# Allegro board reComputer Industrial J201_V1.2.brd (continued)
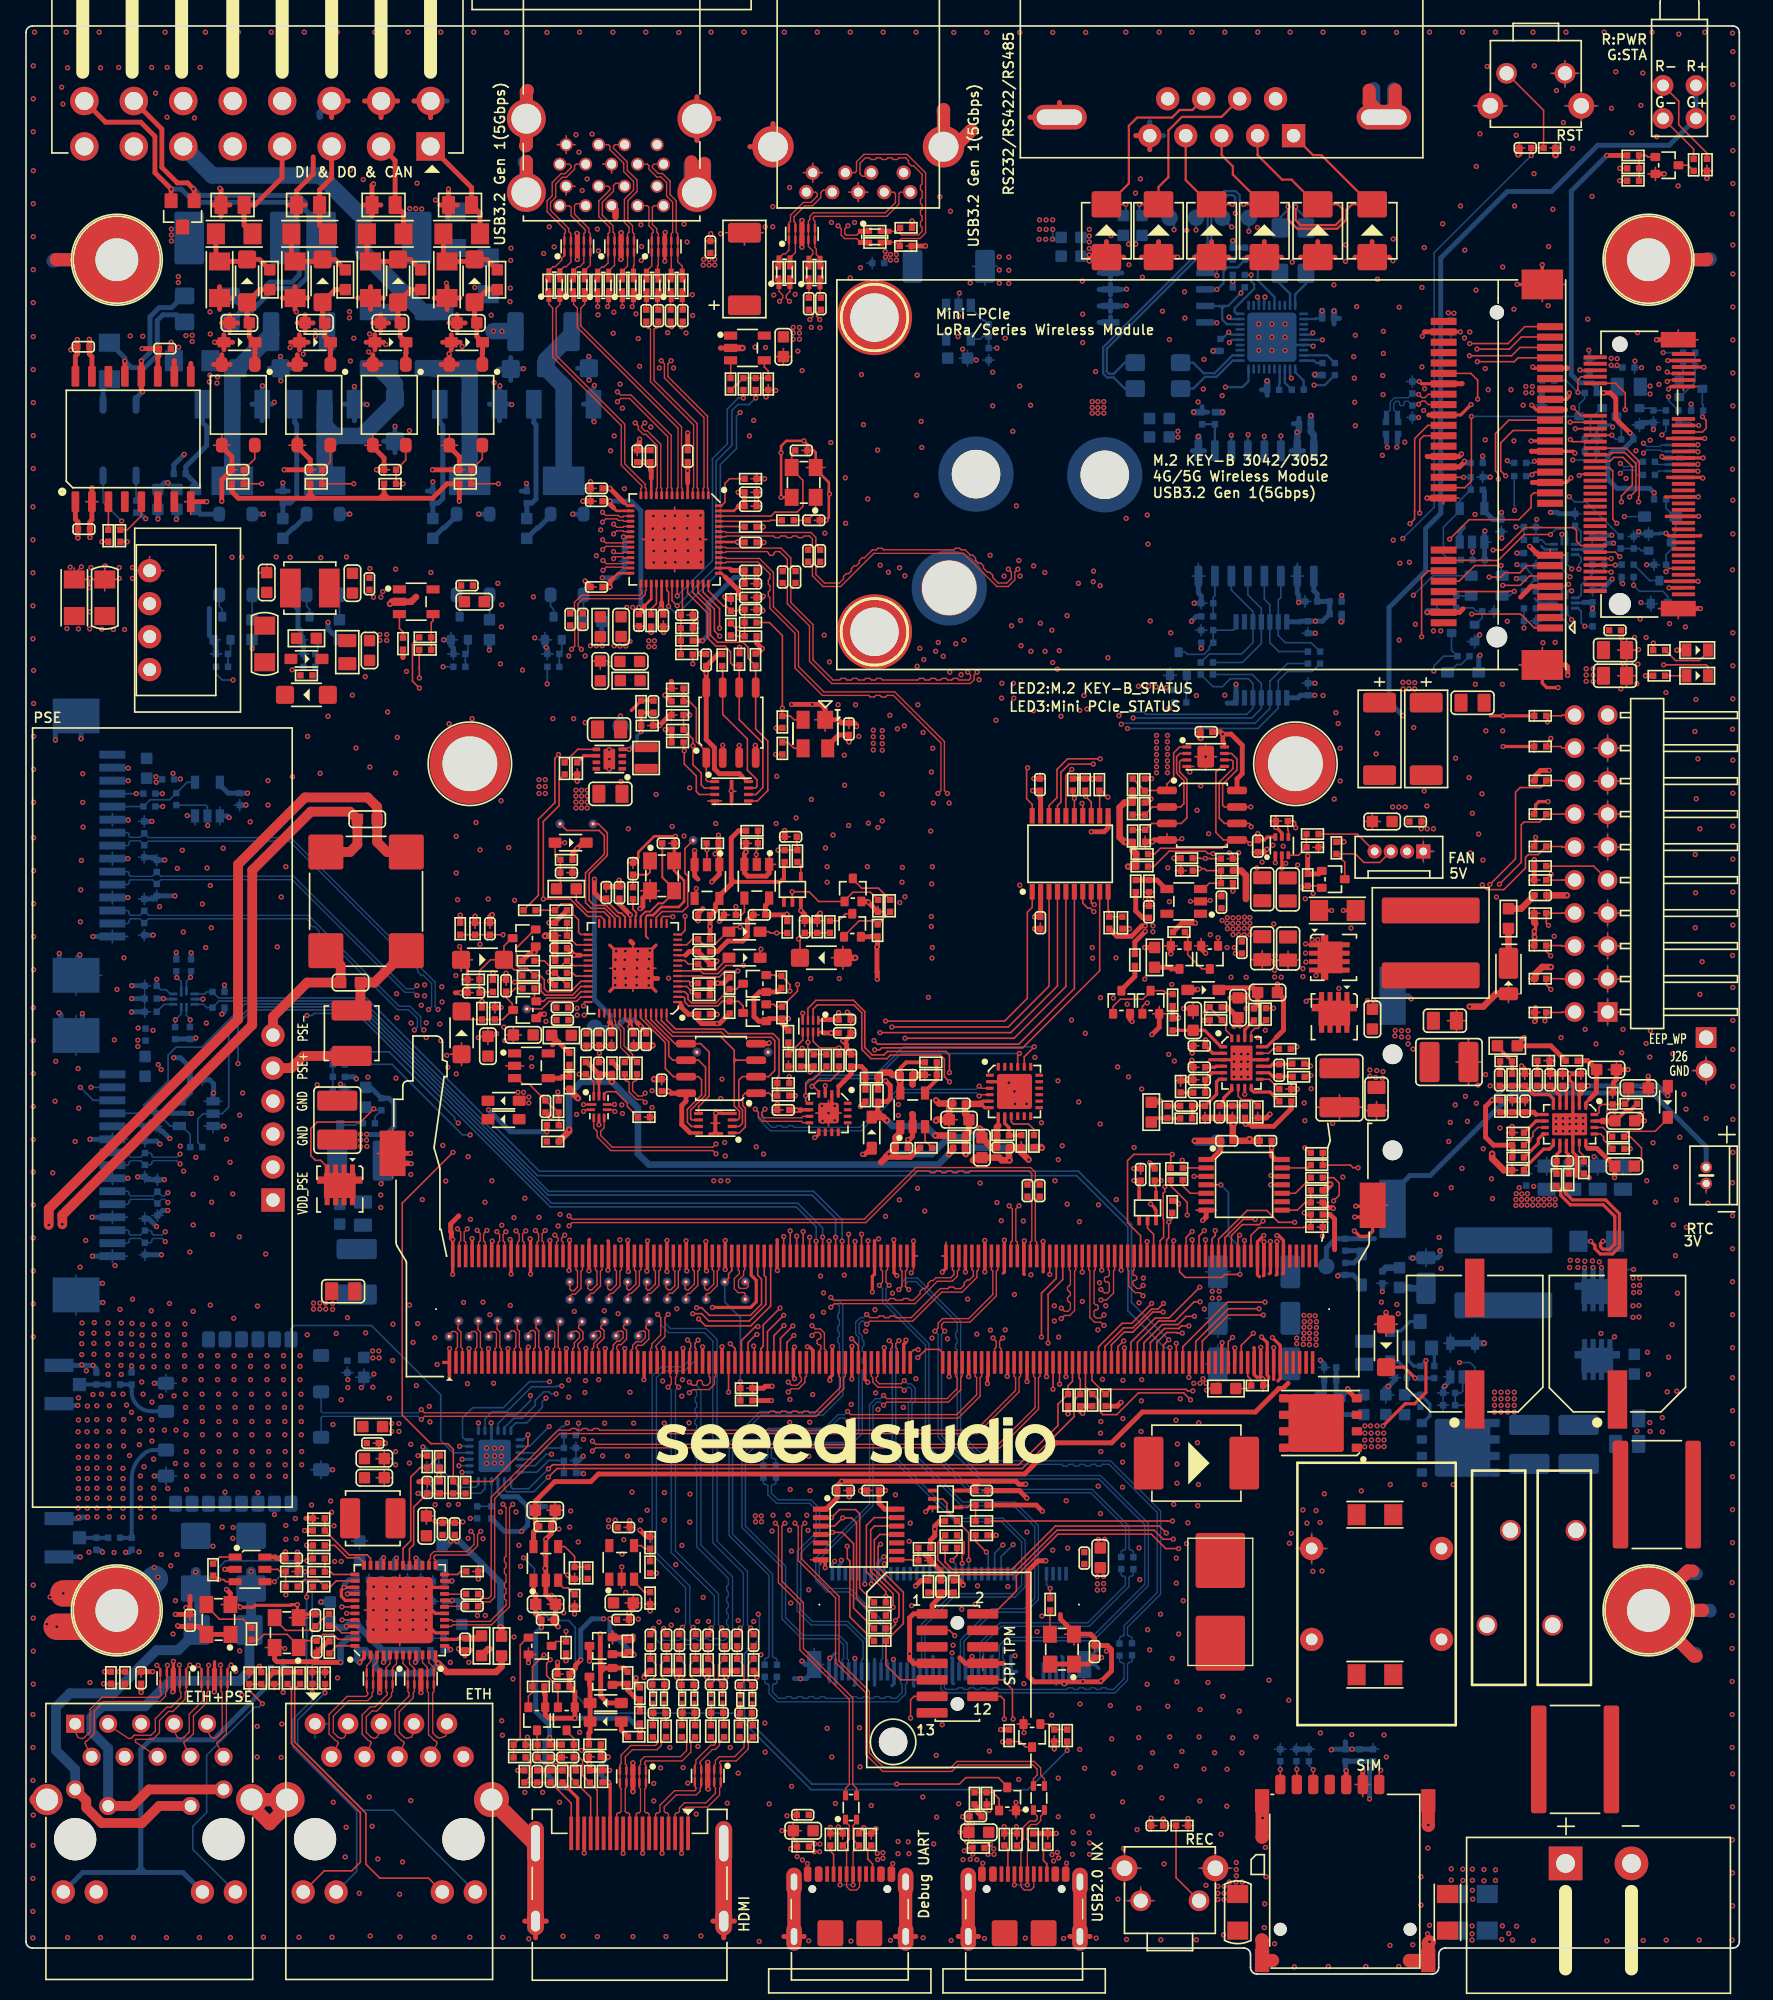
[diagram p0: board, top side]
## Copper pours and planes (outline as drawn; the poured copper is in the pictures) (continued)
GND_SHD on PWR05: 131.73,149.5 131.73,31.85 131.65,31.77 128.4,31.77 127.84,32.33 127.84,40.53 129.16,41.85 129.16,55.54 131.22,57.6 131.22,127.91 129.09,130.04 124.06,130.04 123.35,130.75 123.35,133.45 124.01,134.11 128.88,134.11 131.22,136.44 131.22,148.56 130.66,149.12 106.68,149.12 106.38,148.81 106.38,142.41 106.02,142.06 103.31,142.06 102.95,142.41 102.95,148.84 102.67,149.12 81.87,149.12 81.46,148.71 81.46,142.59 80.9,142.03 76.28,142.03 75.11,140.86 72.06,140.86 71.23,140.03 69.9,140.03 69.57,140.36 69.57,148.64 69.09,149.12 59.19,149.12 58.65,148.58 58.65,140.48 57.74,139.57 53.32,139.57 52.79,139.03 52.79,137.18 52.25,136.65 51.18,136.65 50.55,137.28 50.55,148.51 49.94,149.12 40.44,149.12 39.68,148.36 39.68,137.03 39.17,136.52 37.85,136.52 37.32,137.05 37.32,148.33 36.53,149.12 1.65,149.12 0.87,148.33 0.87,136.6 2.37,135.1 7.22,135.1 8.67,133.65 8.67,131.19 7.73,130.25 2.21,130.25 0.87,128.9 0.87,48.69 0.44,48.25 0.44,30.91 0.87,30.47 8.36,30.47 9.99,32.1 9.99,33.65 10.98,34.64 17.78,34.64 18.32,34.11 18.32,32.91 18.14,32.74 12.93,32.74 11.26,31.06 11.26,29.94 8.69,27.38 8.69,26.66 7.57,25.55 1.35,25.55 0.87,25.06 0.87,4.92 1.65,4.14 17.3,4.14 17.96,4.8 17.96,11.86 16.77,13.05 16.77,13.76 17.17,14.17 20.6,14.17 20.91,13.86 20.91,12.54 19.56,11.2 19.56,4.8 20.22,4.14 37.52,4.14 38.61,5.23 38.61,9.27 34.93,12.95 34.93,13.81 35.39,14.27 36.48,14.27 37.14,13.61 37.14,12.77 38.31,11.6 39.45,11.6 39.91,11.15 39.91,4.44 40.21,4.14 52.73,4.14 53.12,4.52 53.12,11.2 53.5,11.58 53.98,11.58 54.41,11.15 54.41,4.52 54.79,4.14 58.3,4.14 58.58,4.41 58.58,7.64 58.86,7.92 59.36,7.92 59.77,7.51 59.77,4.36 60,4.14 66.96,4.14 67.21,4.39 67.21,7.74 67.44,7.97 68.05,7.97 68.36,7.67 68.36,4.44 68.66,4.14 71.73,4.14 72.01,4.41 72.01,7.61 72.32,7.92 72.95,7.92 73.18,7.69 73.18,4.39 73.44,4.14 80.27,4.14 80.65,4.52 80.65,7.77 80.93,8.05 81.44,8.05 81.79,7.69 81.79,3.75 82.5,3.04 91.42,3.04 92.41,4.03 94.34,4.03 95.2,4.9 95.2,7.61 94.7,8.12 94.7,14.14 94.8,14.24 95.69,14.24 95.79,14.14 95.79,8.4 96.22,7.97 96.22,2.94 96.63,2.53 106.35,2.53 106.94,3.12 106.94,8.25 107.5,8.81 107.5,14.09 107.65,14.24 108.41,14.24 108.56,14.09 108.56,8.38 107.85,7.67 107.85,4.77 108.59,4.03 126.62,4.03 127.84,5.25 127.84,32.3 128.4,31.74 131.65,31.74 131.73,31.67 131.73,2.48 131.55,2.31 108.82,2.31 108.56,2.05 108.56,0.38 108.46,0.27 94.67,0.27 94.62,0.33 94.62,1.8 94.11,2.31 0.33,2.31 0.26,2.38 0.26,149.55 0.44,149.73 131.5,149.73 ; 5 cut-outs
VDD12_SW_OUT on TOP: 28.73,41.5 27.31,41.5 27.05,41.75 27.05,42.54 27.31,42.79 28.73,42.79 29.04,42.49 29.04,41.8
VDD12_SW_OUT on BOTTOM: 32.05,24.44 31.93,24.56 31.93,24.91 32.19,25.17 32.52,25.17 32.8,25.45 32.8,27 33.15,27.35 34.09,27.35 34.57,27.83 35.77,27.83 36.1,27.5 36.1,24.71 35.83,24.44
VDD12_SW_OUT on BOTTOM: 25.51,29.59 22.89,29.59 22.56,29.26 22.56,28.39 22.74,28.21 25.43,28.21 25.71,28.49 25.71,29.38
VDD12_SW_OUT on LAY3: 35.44,27.33 25.43,27.33 24.41,28.34 24.41,41.8 25.56,42.95 31.6,42.95 32.49,42.06 32.49,34.31 35.82,30.98 35.82,27.71
VDD25_REG_OUT on TOP: 30.41,31.26 30.41,33.83 30.66,34.08 33.2,34.08 33.43,33.85 33.43,33.24 33.23,33.04 31.35,33.04 30.69,32.38 30.69,31.26 30.61,31.19 30.48,31.19
VDD_1V2 on TOP: 48.44,94.08 46.97,94.08 46.33,94.71 45.65,94.71 45.34,95.02 45.34,96.51 43.59,98.27 43.59,99.79 43.77,99.97 46.05,99.97 46.21,99.82 46.21,97.94 46.59,97.56 46.79,97.56 46.92,97.43 46.92,95.78 47.3,95.4 48.47,95.4 48.64,95.22 48.64,94.28
VDD_1V2_HUB on TOP: 46.87,99.49 47.17,99.18 48.75,99.18 48.98,99.41 48.98,102.64 48.7,102.92 47.73,102.92 46.87,102.05
VDD_1V2_HUB on LAY4: 50.58,101.95 47.83,101.95 47.5,102.28 47.5,104.11 49.64,106.24 55.38,106.24 55.99,106.85 55.99,108.2 54.64,109.55 54.64,110.74 55.6,111.7 55.6,114.55 55.15,115.01 48.11,115.01 47.22,114.12 47.22,108.12 45.57,106.47 44.96,106.47 44.66,106.78 44.66,115.18 47.2,117.72 56.85,117.72 58.93,115.64 58.93,105.35 56.77,103.2 51.82,103.2
VDD_1V8 on TOP: 88.07,81.86 87.2,81.86 86.92,81.58 86.34,81.58 86.24,81.48 86.24,81.07 85.93,80.77 85.93,79.98 86.01,79.9 87.13,79.9 88.22,81 88.22,81.71
VDD_1V8 on BOTTOM: 89.74,81.3 85.04,81.3 84.59,80.84 84.59,60.95 85.2,60.35 90.07,60.35 90.43,60.7 90.43,80.61
VDD_1V8 on LAY3: 88.6,79.55 85.14,79.55 84.59,80.11 84.59,87.29 88.73,91.43 88.73,101.77 91.37,104.41 101.43,104.41 101.71,104.13 101.71,99.74 99.5,97.53 95.05,97.53 93.35,95.83 93.35,89.5 89.26,85.42 89.26,80.21
VDD_3V3_HDMI on TOP: 44.94,30.63 43.36,30.63 43.13,30.4 43.13,28.34 44.43,27.05 45.44,27.05 45.72,27.33 45.72,28.93 45.24,29.41 45.24,30.32
VDD_3V3_HUB on TOP: 47.83,105.46 43.9,105.46 43.64,105.2 43.64,104.26 43.84,104.06 46.38,104.06 46.79,104.47 47.6,104.47 47.86,104.72 47.86,105.43
VDD_3V3_HUB on LAY4: 48.01,114.5 55.02,114.5 55.2,114.32 55.2,111.78 54.28,110.87 54.28,109.37 55.58,108.07 55.58,107.03 55.12,106.57 49.38,106.57 47.73,104.92 46.18,104.92 45.8,105.3 45.8,106.29 47.45,107.94 47.45,113.94
VDD_3V3_SYS on TOP: 44.56,103.35 43.26,103.35 43.08,103.17 43.08,102.36 43.41,102.03 44.5,102.03 44.73,102.26 44.73,103.17
VDD_3V3_SYS on TOP: 103.25,97.07 103.03,97.3 103.03,100.38 104.14,101.49 107.47,101.49 108.23,102.26 108.23,104.03 108.49,104.29 110.67,104.29 111.05,103.91 111.05,97.43 110.7,97.07
VDD_3V3_SYS on TOP: 110.09,128.34 108.84,128.34 108.28,127.78 108.28,127.3 108.51,127.07 110.21,127.07 110.34,127.2 110.34,128.09
VDD_3V3_SYS on TOP: 81.29,31.64 81.29,31.64 81.25,31.64 81.08,31.47 81.08,29.61 81.36,29.33 83.09,29.33 83.29,29.54 83.29,31.34 82.99,31.64
VDD_3V3_SYS on TOP: 118.16,123.08 115.4,123.08 115.14,122.83 115.14,121.56 115.24,121.46 116.03,121.46 116.36,121.79 118.11,121.79 118.32,121.99 118.32,122.14 118.14,122.32 116.41,122.32 116.39,122.35 116.39,122.55 116.41,122.58 118.14,122.58 118.27,122.7 118.27,122.98
VDD_3V3_SYS on TOP: 120.1,124.63 122.86,124.63 123.04,124.45 123.04,123.74 122.84,123.54 122.15,123.54 121.85,123.85 120.1,123.85 120.02,123.92 120.02,124.02 120.12,124.12 121.8,124.12 121.82,124.15 121.82,124.33 121.8,124.35 120.07,124.35 120.04,124.38 120.04,124.58
VDD_3V3_SYS on TOP: 45.29,32.74 45.29,33.65 45.67,34.03 45.67,35.12 45.44,35.35 44.53,35.35 44.25,35.07 44.25,32.81 44.53,32.53 45.09,32.53
VDD_3V3_SYS on TOP: 99.7,83.05 93.55,83.05 92.76,82.27 91.6,82.27 91.24,81.91 90.17,81.91 90.05,81.78 90.05,81.38 90.17,81.25 91.55,81.25 93.45,79.34 97.82,79.34 97.97,79.5 97.97,79.88 98.2,80.11 99.9,80.11 100.21,80.41 100.21,82.54
VDD_3V3_SYS on TOP: 121.92,99.21 119.82,99.21 119.1,99.92 119.1,107.46 119.28,107.64 121.72,107.64 121.77,107.59 121.77,107.41 121.72,107.36 119.99,107.36 119.97,107.34 119.97,107.16 119.99,107.13 121.72,107.13 121.77,107.08 121.77,106.9 121.72,106.85 119.99,106.85 119.97,106.83 119.97,106.65 119.99,106.62 121.7,106.62 121.8,106.52 121.8,104.49 122.13,104.16 122.13,99.41
VDD_3V3_SYS on BOTTOM: 109.4,127.27 109.4,128.11 109.58,128.29 110.24,128.29 110.42,128.11 110.42,127.27 110.21,127.07 109.6,127.07
VDD_3V3_SYS on BOTTOM: 10.54,92.58 8.82,92.58 8.67,92.43 8.67,91.71 8.84,91.54 10.54,91.54 10.75,91.74 10.75,92.37
VDD_3V3_SYS on BOTTOM: 79.52,29.43 79.01,29.94 79.01,31.26 79.06,31.31 79.21,31.31 79.26,31.26 79.26,30.27 79.29,30.25 79.47,30.25 79.49,30.27 79.49,31.29 79.54,31.34 79.72,31.34 79.74,31.31 79.74,30.27 79.77,30.25 79.97,30.25 80,30.27 80,31.29 80.05,31.34 82.08,31.34 82.08,31.34 82.9,31.34 83.29,30.94 83.29,29.43 83.16,29.3 82.38,29.3 82.24,29.44 82.06,29.44 82.06,29.43
VDD_3V3_SYS on BOTTOM: 116.92,121.51 115.42,121.51 115.14,121.79 115.14,122.63 115.37,122.85 117.02,122.85 117.07,122.8 117.07,121.66
VDD_3V3_SYS on BOTTOM: 25.56,30.09 23.88,30.09 23.52,30.45 23.52,31.97 23.8,32.25 27.59,32.25 27.84,32 27.84,31.39 27.56,31.11 26.14,31.11 25.71,30.68 25.71,30.25
VDD_3V3_SYS on BOTTOM: 109.1,104.24 108.26,104.24 108,103.98 108,103.3 108.23,103.07 109.12,103.07 109.33,103.27 109.33,104.01
VDD_3V3_SYS on BOTTOM: 27.16,47.06 22.58,47.06 22.31,47.34 22.31,48.03 22.56,48.28 27.18,48.28 27.46,48 27.46,47.37
VDD_3V3_SYS on BOTTOM: 123.27,121.56 123.27,124.33 122.99,124.61 121.92,124.61 121.62,124.3 121.62,121.64 122,121.25 122.97,121.25
VDD_3V3_SYS on BOTTOM: 9.81,70.58 9.81,71.83 9.5,72.13 8.44,72.13 8.16,71.85 8.16,70.63 8.56,70.23 9.45,70.23
VDD_3V3_SYS on PWR05: 116.34,146.45 111.84,141.96 111.84,136.93 108.08,133.17 108.08,128.72 104.4,125.04 104.4,113.02 100.33,108.96 87.43,108.96 84.12,112.28 70.6,112.28 61.14,121.74 51.21,121.74 44.66,115.18 44.66,108.05 43.46,106.85 14.71,106.85 14.63,106.78 14.63,106.67 14.76,106.55 14.76,92.73 14.15,92.12 10.7,92.12 9.05,93.77 6.58,93.77 5.21,92.4 5.21,55.24 6.07,54.38 17.4,54.38 18.52,53.26 18.52,41.88 19.77,40.63 19.77,25.37 18.47,24.07 18.47,21.48 18.7,21.25 36.25,21.25 37.04,20.47 37.04,17.57 38,16.61 56.42,16.61 59.36,13.66 61.37,13.66 62.16,12.87 62.16,7.13 62.64,6.65 63.86,6.65 64.47,7.26 64.47,10.21 65.03,10.76 74.76,10.76 75.21,10.31 75.21,7.31 75.87,6.65 77.7,6.65 78.36,7.31 78.36,14.63 80.34,16.61 95.71,16.61 96.22,16.1 96.22,15.44 96.71,14.94 96.71,14 97.57,13.15 103.97,13.15 105.16,14.35 105.16,19.12 104.73,19.55 98.38,19.55 95.69,22.25 95.69,37.69 97.26,39.26 119.97,39.26 126.22,45.51 126.22,56.36 129.52,59.66 129.52,124.05 127.23,126.33 121.06,126.33 119.43,127.96 119.43,135.88 121.9,138.35 127.82,138.35 129.37,139.9 129.37,145.99 128.91,146.45 ; 2 cut-outs
VDD_5V_BUS on TOP: 29.06,106.34 28.2,106.34 26.9,105.05 23.14,105.05 22.66,105.53 22.66,107.49 23.14,107.97 23.27,107.97 24.46,106.78 26.9,106.78 27.59,107.46 28.99,107.46 29.24,107.21 29.24,106.52
VDD_5V_BUS on BOTTOM: 86.8,118.92 86.24,118.92 85.7,119.45 78.36,119.45 77.25,118.33 77.25,112.67 83.16,106.75 83.16,103.07 73,92.91 47.25,92.91 41.48,98.67 39.73,98.67 38.76,99.64 32.34,99.64 32.01,99.97 32.01,102.64 27.94,106.7 26.57,106.7 26.27,106.4 26.27,100.66 29.16,97.76 37.34,97.76 45.67,89.43 75.37,89.43 87.05,101.11 87.05,106.07 79.46,113.66 79.46,117.09 80.88,118.51 85.07,118.51 85.78,117.8 86.82,117.8 87,117.98 87,118.71
VDD_5V_SYS on TOP: 44.15,93.44 43.16,93.44 42.93,93.21 42.93,91.46 42.85,91.38 42.24,91.38 42.09,91.23 42.09,89.73 42.29,89.53 44.38,89.53 44.63,89.78 44.63,91.84 44.23,92.25 44.23,92.88 44.17,92.93 43.67,92.93 43.62,92.98 43.62,93.14 43.64,93.16 44.12,93.16 44.2,93.24 44.2,93.39
VDD_5V_SYS on TOP: 38.97,68.14 37.85,68.14 37.55,67.84 37.55,67 37.82,66.72 38.94,66.72 39.2,66.97 39.2,67.91
VDD_5V_SYS on TOP: 57.76,125.85 56.7,125.85 56.39,126.16 56.39,127.1 56.8,127.5 59.62,127.5 59.85,127.27 59.85,125.78 59.69,125.62 57.99,125.62
VDD_5V_SYS on TOP: 99.34,56.15 101.15,56.15 102.16,55.14 102.16,45.56 101.6,45 96.93,45 96.88,45.05 96.88,45.26 97.01,45.38 97.01,49.04 97.84,49.88 97.84,52.22 97.26,52.8 97.26,56.13 97.29,56.15 97.49,56.15 97.51,56.13 97.51,54.4 97.54,54.38 97.72,54.38 97.74,54.4 97.74,56.13 97.77,56.15 97.95,56.15 98,56.1 98,54.4 98.02,54.38 98.23,54.38 98.25,54.4 98.25,56.1 98.3,56.15 98.43,56.15 98.51,56.08 98.51,54.4 98.53,54.38 98.73,54.38 98.76,54.4 98.76,56.1 98.78,56.13 98.96,56.13 99.01,56.08 99.01,54.4 99.04,54.38 99.22,54.38 99.24,54.4 99.24,56.05
VDD_5V_SYS on TOP: 105.87,86.28 105.87,87.07 104.88,88.06 104.88,89.81 105.19,90.11 106.46,90.11 106.81,89.76 106.81,86.2 106.63,86.02 106.13,86.02
VDD_5V_SYS on TOP: 37.55,94.56 37.55,90.88 37.9,90.52 40.01,90.52 40.29,90.8 40.29,96.24 34.29,102.23 34.29,105.53 33.79,106.04 33.79,107.28 33.61,107.46 31.17,107.46 30.86,107.16 30.86,106.42 30.97,106.32 31.93,106.32 32.11,106.14 32.11,99.99
VDD_5V_SYS on BOTTOM: 98.76,45.66 96.63,45.66 96.14,46.15 96.14,54.3 96.85,55.01 98.15,55.01 100.05,53.11 101.4,53.11 101.93,52.57 101.93,48.25 101.5,47.82 99.6,47.82 99.17,47.39 99.17,46.07
VDD_5V_SYS on BOTTOM: 123.83,60.9 114.79,60.9 114.56,60.68 114.56,59.08 114.66,58.97 120.5,58.97 121.77,57.7 121.77,55.9 122.05,55.62 123.73,55.62 124.31,56.21 124.31,60.42
VDD_5V_SYS on BOTTOM: 70.08,126.39 71.02,126.39 71.2,126.21 71.2,125.29 71.4,125.09 71.4,120.21 69.7,118.51 65.36,118.51 62.28,115.44 62.28,102.08 66.37,97.99 66.37,94.05 65.89,93.57 57.89,93.57 57.31,94.15 57.31,126.41 57.92,127.02 60.35,127.02 63.12,124.25 67.95,124.25
VDD_5V_SYS on BOTTOM: 39.35,92.27 40.26,92.27 41.13,91.41 43.29,91.41 43.82,90.88 43.82,70.91 39.68,66.77 37.57,66.77 35.74,68.6 35.74,88.67
VDD_5V_SYS on LAY4: 49.18,89.33 41.99,89.33 41.58,89.73 41.58,95.45 42.09,95.96 88.01,95.96 88.47,95.5 88.47,90.77 87.86,90.16 50.02,90.16
VDD_5V_SYS on PWR05: 97.51,54.99 99.85,57.32 99.85,78.58 96.52,81.91 87,81.91 85.58,83.33 85.58,95.24 85.96,95.63 95.23,95.63 96.88,97.28 106.18,97.28 106.66,96.79 106.66,93.52 110.04,90.14 116.44,90.14 118.22,88.36 118.22,73.45 119.99,71.67 119.99,47.37 118.95,46.32 98.43,46.32 97.51,47.24
VDD_DCIN on TOP: 22.48,63.44 22.48,64.74 22.84,65.1 26.34,65.1 26.57,64.87 26.57,61.67 26.34,61.44 25.1,61.44 24.97,61.56 24.97,62.38 24.95,62.4 24.72,62.4 24.69,62.38 24.69,61.34 24.62,61.26 24.41,61.26 24.31,61.36 24.31,62.38 24.29,62.4 24.06,62.4 24.01,62.35 24.01,61.34 23.96,61.29 23.75,61.29 23.68,61.36 23.68,62.38 23.63,62.43 23.5,62.43
VDD_DCIN on TOP: 93.27,71.9 93.27,72.36 92.89,72.74 92.89,73.6 93.09,73.81 93.65,73.81 93.83,73.63 93.83,73.02 93.7,72.89 93.7,72.56 93.5,72.36 93.5,71.88 93.43,71.8 93.37,71.8
VDD_DCIN on TOP: 122.76,65.2 121.85,65.2 121.59,65.45 121.59,66.37 121.8,66.57 122.64,66.57 122.84,66.37 122.84,65.27
VDD_DCIN on TOP: 102.62,74.16 99.88,74.16 99.5,73.78 99.5,68.96 99.9,68.55 102.42,68.55 103.23,67.74 107.75,67.74 108.87,68.85 108.87,74.44 108.61,74.7 105.36,74.7 104.14,73.48 103.31,73.48
VDD_DCIN on TOP: 123.35,46.27 123.35,42.59 122.48,41.73 111.43,41.73 111.03,42.13 111.03,46.58 112.09,47.65 121.97,47.65
VDD_DCIN on BOTTOM: 104.6,68.55 96.8,68.55 92.84,72.51 92.84,73.5 93.25,73.91 101.32,73.91 105.03,70.2 105.03,68.98
VDD_DCIN on BOTTOM: 114.15,40.66 121.64,40.66 122.08,40.23 122.71,40.23 122.97,40.48 122.97,43.3 124.31,44.65 124.31,46.43 124.08,46.65 123.22,46.65 122.36,47.52 114.3,47.52 111.79,45 111.79,42.95 111.54,42.69 110.37,42.69 109.83,42.16 109.83,38.53 110.06,38.3 113.19,38.3 113.8,38.91 113.8,40.3
VDD_DCIN on LAY4: 101.5,74.37 114.1,74.37 117.17,71.29 124.97,71.29 125.89,70.38 125.89,43.56 125.25,42.92 110.29,42.92 110.01,43.2 110.01,59.66 104.73,64.94 84.26,64.94 81.64,62.33 72.39,62.33 68.99,58.92 26.12,58.92 25.28,59.76 25.28,64.99 26.47,66.19 64.09,66.19 65.59,67.69 78.13,67.69 80.56,70.11 97.25,70.11
VDD_PSE on BOTTOM: 21.75,60.78 19.82,62.71 17.96,62.71 17.71,62.45 17.71,58.01 20.65,55.06 26.8,55.06 27.03,55.29 27.03,57.7 26.55,58.19 23.17,58.19 21.75,59.61
VDD_VBUS_A on TOP: 54.77,126 54.77,126.84 55.63,127.71 55.63,128.98 55.38,129.23 54.39,129.23 53.7,129.92 53.7,132.56 53.5,132.76 52.3,132.76 51.95,132.41 51.95,127.66 53.75,125.85 54.61,125.85
VDD_VBUS_A on LAY3: 45.39,131.24 44.3,132.33 44.3,140.81 45.09,141.6 48.64,141.6 49.13,141.12 49.13,135.02 50.73,133.42 52.99,133.42 53.29,133.12 53.29,131.47 53.06,131.24
VDD_VBUS_B on BOTTOM: 71.17,128.42 71.17,130.98 69.24,132.91 66.17,132.91 65.89,132.63 65.89,131.24 66.7,130.42 67.64,130.42 69.88,128.19 70.95,128.19
VDD_VBUS_B on LAY3: 67.9,139.26 65.51,139.26 64.62,138.37 64.62,131.69 65,131.31 68.86,131.31 69.45,131.9 69.45,137.71
VIN_5V on TOP: 9.43,106.4 17.76,106.4 18.16,106.8 18.88,106.8 20.17,108.1 20.5,108.1 21.14,107.46 21.14,104.8 19.59,103.25 14.23,103.25 12.88,104.59 9.25,104.59 8.97,104.87 8.97,105.94
(no net) on TOP: 112.68,147.49 128.73,147.49 130,146.22 130,138.27 128.65,136.93 122.28,136.93 119.99,134.64 119.99,128.72 121.87,126.84 129.32,126.84 130,126.16 130,58.77 127.64,56.41 127.64,42.92 126.19,41.47 110.82,41.47 110.21,40.86 110.21,37.64 110.06,37.49 104.37,37.49 103.1,36.22 103.1,21.58 105.49,19.2 105.49,14.24 104.4,13.15 96.96,13.15 96.24,13.86 96.24,14.93 95.91,15.26 93.88,15.26 93.55,14.93 93.55,7.56 94.16,6.95 94.16,5.68 93.96,5.48 91.57,5.48 90.91,4.82 83.82,4.82 83.37,5.28 83.37,8.4 82.81,8.96 80.67,8.96 80.39,8.68 80.39,7.79 80.19,7.59 73.51,7.59 73.36,7.74 73.36,8.58 72.98,8.96 67.11,8.96 66.96,8.81 66.96,7.84 66.7,7.59 60.15,7.59 59.92,7.82 59.92,8.61 59.57,8.96 57.84,8.96 57.53,9.27 57.53,12.06 57.05,12.54 52.28,12.54 51.69,11.96 51.69,9.27 51.16,8.73 41.76,8.73 41.33,9.16 41.33,12.64 40.49,13.48 38.15,13.48 37.82,13.81 37.82,15.11 36.2,16.73 36.2,20.82 35.92,21.1 6.66,21.1 5.77,21.99 5.77,23.36 5.92,23.52 9.1,23.52 11.1,25.52 11.1,28.87 12.07,29.84 14.1,29.84 14.66,30.4 14.66,31.06 15.02,31.41 15.62,31.41 17.2,29.84 17.73,29.84 18.27,30.37 18.27,33.8 17.1,34.97 3.97,34.97 3.79,35.15 3.79,57.75 14.15,68.12 20.7,68.12 21.31,68.73 27.82,68.73 28.45,69.36 28.45,75.69 29.14,76.37 32.26,76.37 32.87,76.98 32.87,88.26 29.19,91.94 21.19,91.94 14.94,85.69 14.94,73.55 7.5,66.11 1.88,66.11 1.32,66.67 1.32,97.86 1.71,98.24 5.13,98.24 5.41,97.96 5.41,94.91 6.61,93.72 10.42,93.72 11.31,92.83 22.97,92.83 28.66,98.52 28.66,104.19 27.79,105.05 25.15,105.05 24.54,105.66 24.54,108.35 24.03,108.86 19.21,108.86 19,108.66 19,107.74 18.72,107.46 13.62,107.46 13.29,107.13 7.65,107.13 6.86,106.34 3.41,106.34 3.1,106.65 3.1,113.46 3.86,114.22 13.26,114.22 13.59,114.55 13.59,118.16 13.97,118.54 37.42,118.54 38.51,119.63 38.51,131.44 40.03,132.96 40.03,136.6 40.36,136.93 40.36,138.02 40.57,138.22 40.57,140.94 41.53,141.9 49.2,141.9 49.79,141.32 49.79,137.05 50.19,136.65 50.19,135.48 50.68,135 55.45,135 60.84,140.38 67.92,140.38 76.08,132.23 76.08,123.57 79.99,119.65 83.11,119.65 86.82,115.95 86.82,110.05 87.91,108.96 99.44,108.96 100.94,110.46 100.94,112.31 104.09,115.46 104.09,127.2 107.42,130.53 107.42,132.28 107.4,132.3 107.4,133.78 111.18,137.56 111.18,145.99 ; 68 cut-outs
(no net) on LAY3: 112.68,147.49 128.73,147.49 130,146.22 130,138.27 128.65,136.93 122.28,136.93 119.99,134.64 119.99,128.72 121.87,126.84 129.32,126.84 130,126.16 130,58.77 127.64,56.41 127.64,42.92 126.04,41.32 111.46,41.32 110.21,40.08 110.21,37.66 110.04,37.49 104.37,37.49 103.1,36.22 103.1,21.58 105.49,19.2 105.49,14.24 104.4,13.15 96.96,13.15 96.24,13.86 96.24,14.93 95.91,15.26 93.88,15.26 93.55,14.93 93.55,7.56 94.16,6.95 94.16,5.68 93.96,5.48 91.57,5.48 90.91,4.82 83.82,4.82 83.37,5.28 83.37,8.4 82.81,8.96 80.67,8.96 80.39,8.68 80.39,7.79 79.07,6.47 74.63,6.47 73.36,7.74 73.36,8.58 72.98,8.96 67.11,8.96 66.96,8.81 66.96,7.84 65.84,6.73 60.94,6.73 59.92,7.74 59.92,8.61 59.57,8.96 57.84,8.96 57.53,9.27 57.53,12.06 57.05,12.54 52.28,12.54 51.69,11.96 51.69,9.27 51.16,8.73 41.76,8.73 41.33,9.16 41.33,12.64 40.49,13.48 38.15,13.48 37.82,13.81 37.82,15.11 37.21,15.72 35.36,15.72 34.19,14.55 34.19,9.77 35.56,8.4 35.56,5.63 35.13,5.2 21.09,5.2 20.35,5.94 20.35,7.39 22.15,9.19 22.15,14.98 21.11,16.02 17.89,16.02 17.58,16.33 17.58,20.65 17.4,20.82 5.85,20.82 4.63,22.04 4.63,23.08 5.06,23.52 9.27,23.52 11.1,25.34 11.1,28.87 12.07,29.84 17.73,29.84 18.27,30.37 18.27,33.8 17.1,34.97 3.97,34.97 3.79,35.15 3.79,57.75 14.15,68.12 20.7,68.12 21.31,68.73 27.82,68.73 28.45,69.36 28.45,75.69 29.14,76.37 32.26,76.37 32.87,76.98 32.87,88.26 29.19,91.94 21.19,91.94 14.94,85.69 14.94,73.55 7.5,66.11 1.88,66.11 1.32,66.67 1.32,97.86 1.71,98.24 5.13,98.24 5.41,97.96 5.41,94.91 6.61,93.72 10.42,93.72 11.31,92.83 22.97,92.83 28.66,98.52 28.66,104.19 27.79,105.05 25.02,105.05 24.54,105.53 24.54,108.35 24.03,108.86 19.21,108.86 19,108.66 19,107.72 18.75,107.46 13.62,107.46 13.29,107.13 7.65,107.13 6.86,106.34 3.41,106.34 3.1,106.65 3.1,113.46 3.86,114.22 13.26,114.22 13.59,114.55 13.59,118.16 13.97,118.54 37.42,118.54 38.51,119.63 38.51,131.44 40.03,132.96 40.03,136.6 40.36,136.93 40.36,138.02 40.57,138.22 40.57,140.94 41.53,141.9 49.2,141.9 49.79,141.32 49.79,137.05 50.19,136.65 50.19,135.48 50.68,135 55.45,135 60.84,140.38 67.92,140.38 76.08,132.23 76.08,123.57 79.99,119.65 83.11,119.65 86.82,115.95 86.82,110.05 87.91,108.96 99.44,108.96 100.94,110.46 100.94,112.31 104.09,115.46 104.09,127.2 107.42,130.53 107.42,132.28 107.4,132.3 107.4,133.78 111.18,137.56 111.18,145.99 ; 50 cut-outs
5V_RS232/422/485 on BOTTOM: 87.79,120.19 87.66,120.06 87.66,118.05 87.76,117.95 88.78,117.95 88.95,118.13 88.95,119.93 88.7,120.19
5V_RS232/422/485 on LAY4: 101.2,128.44 99.88,128.44 99.55,128.11 99.55,121.23 98.58,120.26 98.58,118.51 97.92,117.85 92.87,117.85 92.46,118.26 92.46,120.44 92.21,120.7 91.52,120.7 91.09,120.26 91.09,119.55 90.78,119.25 88.12,119.25 87.91,119.04 87.91,116.89 88.57,116.23 100.05,116.23 101.43,117.6 101.43,128.21
BBAT_CONN on BOTTOM: 103.13,55.44 103.25,55.32 105.79,55.32 107.01,56.54 107.01,61.31 106.71,61.62 103.74,61.62 103.13,61.01
DCJ_IN on TOP: 107.75,27.73 114.61,27.73 115.19,27.15 115.19,23.62 117.12,21.69 117.12,12.57 119.76,9.93 119.76,7.41 119.59,7.23 115.32,7.23 111.59,10.97 111.59,15.41 104.86,22.14 104.86,24.84
DO_40V_3 on BOTTOM: 24.82,127.02 28.5,127.02 28.76,127.27 28.76,128.37 28.53,128.6 24.85,128.6 24.57,128.32 24.57,127.27
DO_40V_4 on BOTTOM: 22.51,125.27 23.42,125.27 23.7,125.55 23.7,127.25 23.58,127.38 22.36,127.38 22.18,127.2 22.18,125.6
GND_RS232/422/485 on TOP: 105.29,131.01 81.59,131.01 80.85,131.74 80.85,134.34 81.44,134.92 84.36,134.92 84.92,135.48 84.92,141.4 85.83,142.31 86.97,142.31 87.41,141.88 87.41,135.3 87.79,134.92 105.34,134.92 105.64,134.61 105.64,131.36
GND_RS232/422/485 on BOTTOM, GND02, PWR05: 80.85,138.6 87.53,145.28 96.65,145.28 104.19,137.74 104.88,137.74 105.85,136.77 105.85,131.06 102.9,128.11 102.9,119.04 100.08,116.23 88.57,116.23 87.66,117.14 87.66,120.77 87.15,121.28 84.13,121.28 80.85,124.56
GND_RS232/422/485 on LAY3: 80.85,138.6 87.53,145.28 96.65,145.28 104.19,137.74 104.88,137.74 105.85,136.77 105.85,131.06 102.9,128.11 102.9,119.04 100.08,116.23 88.57,116.23 87.66,117.14 87.66,120.77 87.15,121.28 84.13,121.28 80.85,124.56 ; 2 cut-outs
GND_RS232/422/485 on LAY4: 80.85,138.6 87.53,145.28 96.65,145.28 104.19,137.74 104.88,137.74 105.85,136.77 105.85,131.06 102.9,128.11 102.9,119.04 100.08,116.23 88.57,116.23 87.66,117.14 87.66,120.77 87.15,121.28 84.13,121.28 80.85,124.56 ; 4 cut-outs
LDO_5V_IN on TOP: 37.93,71.19 35.18,71.19 34.75,70.76 34.75,65.65 35.03,65.37 36.2,65.37 36.5,65.68 36.5,69.97 37.11,70.58 37.9,70.58 38,70.68 38,71.11
MODE_0 on BOTTOM: 91.77,131.34 90.52,131.34 90.19,131.01 90.19,130.82 90.28,130.73 91.75,130.73 91.88,130.86 91.88,131.24
SW_1V2 on TOP: 45.8,93.44 46.71,93.44 46.97,93.19 48.47,93.19 48.67,92.98 48.67,92.55 48.52,92.4 46.99,92.4 46.23,93.16 45.77,93.16 45.7,93.24 45.7,93.34
SW_DC1 on BOTTOM: 121.82,52.47 109.63,52.47 108.59,53.51 107.67,53.51 107.09,52.93 107.09,51.43 107.45,51.07 109.3,51.07 110.67,49.7 116.92,49.7 118.83,47.8 120.2,47.8 120.27,47.87 120.27,48.92 120.3,48.94 120.53,48.94 120.55,48.92 120.55,47.92 120.65,47.82 120.83,47.82 120.91,47.9 120.91,48.92 120.93,48.94 121.16,48.94 121.19,48.92 121.19,47.9 121.26,47.82 121.52,47.82 121.57,47.87 121.57,48.94 122.3,49.68 122.3,51.99
SW_DC2 on TOP: 100.28,74.65 100.28,79.04 100.74,79.5 102.42,79.5 103.99,77.92 112.32,77.92 113.19,78.79 114.38,78.79 114.89,78.28 114.89,77.21 114.43,76.75 113.24,76.75 111.61,75.13 104.47,75.13 104.27,75.33 103.03,75.33 102.9,75.2 102.9,74.85 102.59,74.54 101.76,74.54 101.58,74.72 101.58,75.64 101.53,75.69 101.35,75.69 101.3,75.64 101.3,74.65 101.2,74.54 101.02,74.54 100.94,74.62 100.94,75.64 100.92,75.66 100.66,75.66 100.64,75.64 100.64,74.7 100.54,74.59 100.33,74.59
SW_OUT on TOP: 27.18,31.26 27.18,32.61 25.76,34.03 25.76,36.8 26.39,37.43 26.39,42.49 26.14,42.74 24.34,42.74 24.13,42.54 24.13,33.45 25.1,32.48 26.27,32.48 26.9,31.85 26.9,31.26 26.98,31.19 27.11,31.19
SW_OUT_L on TOP: 27.92,31.24 27.92,32.02 27.69,32.25 27.69,36.09 28.1,36.49 29.04,36.49 29.24,36.29 29.24,33.32 28.5,32.58 28.5,32.33 28.17,32 28.17,31.24 28.1,31.16 27.99,31.16
TYPE C_UART_5V on TOP: 65.26,8.33 65.26,8.77 65.49,8.99 65.87,8.99 65.94,9.07 66.2,9.07 66.3,8.97 66.3,8.36 66.15,8.21 66.15,7.19 66.04,7.09 65.71,7.09 65.59,7.22 65.59,8
TYPE C_UART_5V on TOP: 60.07,9.32 60.79,8.61 60.79,7.69 60.86,7.61 61.27,7.61 61.34,7.69 61.34,16.73 59.21,18.87 59.21,27.83 57.13,29.92 57.13,35.33 56.95,35.5 55.81,35.5 55.63,35.33 55.63,28.37 57.66,26.33 57.66,18.13 60.07,15.72
TYPE C_UART_5V on TOP: 61.17,64.87 61.17,64.56 62.89,62.83 65.49,62.83 66.17,63.52 66.83,63.52 67.36,62.99 67.36,62.78 65.38,60.8 38.03,60.8 37.65,61.18 37.65,65.96 37.85,66.16 39.27,66.16 39.48,65.96 39.48,64.64 39.68,64.43 40.21,64.43 40.34,64.31 40.34,63.39 41.1,62.63 58.42,62.63 60.68,64.89 61.14,64.89
TYPE C_UART_5V on BOTTOM: 60.58,10.23 65.87,10.23 66.22,9.88 66.22,7.49 65.87,7.13 60.86,7.13 60.43,7.56 60.43,10.08
TYPE C_UART_5V on LAY3: 57.05,34.64 57.05,48.92 56.54,49.42 56.54,54.1 55.05,55.6 55.05,61.11 54.69,61.46 52.84,61.46 52.38,61.01 52.38,53.59 54.13,51.84 54.13,46.2 54.54,45.79 54.54,34.69 54.74,34.49 56.9,34.49
VOUT_5V on TOP: 9.48,101.34 15.29,101.34 15.62,101.67 18.88,101.67 20.4,103.2 21.06,103.2 21.31,102.94 21.31,101.34 20.02,100.05 15.73,100.05 15.27,99.59 9.35,99.59 9.02,99.92 9.02,100.88
N27061287 on TOP: 73.51,9.32 74.22,8.61 74.22,7.46 74.32,7.36 74.63,7.36 74.78,7.51 74.78,11.76 74.22,12.31 73.69,12.31 73.51,12.14
N27061287 on TOP: 78.69,8.83 78.69,9.27 78.92,9.49 79.3,9.49 79.38,9.57 79.63,9.57 79.73,9.47 79.73,8.86 79.58,8.71 79.58,7.31 79.43,7.16 79.1,7.16 79.02,7.23 79.02,8.5
N27061287 on BOTTOM: 74.02,10.23 79.3,10.23 79.66,9.88 79.66,7.49 79.3,7.13 74.3,7.13 73.87,7.56 73.87,10.08
N27077519 on TOP: 122.15,11.04 121.37,11.83 121.37,20.21 116.49,25.09 116.49,27.96 115.65,28.8 108.64,28.8 107.57,29.87 105.08,29.87 104.7,30.25 104.7,35.5 105.31,36.11 107.57,36.11 111.74,31.95 119.41,31.95 120.63,30.73 120.63,26.46 125.68,21.41 125.68,8.12 124.79,7.23 123.22,7.23 122.15,8.3
N27077790 on TOP: 102.95,42.69 102.9,42.74 102.26,42.74 102.14,42.87 102.14,43.25 102.24,43.35 104.55,43.35 104.78,43.12 104.78,40.3 104.4,39.92 102.32,39.92 102.16,40.08 102.16,40.74 102.24,40.81 102.92,40.81 102.95,40.84 102.95,41.42 102.9,41.47 102.21,41.47 102.16,41.52 102.16,42.01 102.24,42.08 102.87,42.08 102.95,42.16
N27077790 on BOTTOM: 106.61,43.48 102.82,43.48 102.47,43.12 102.47,38.73 102.85,38.35 107.78,38.35 107.9,38.48 107.9,38.81 107.78,38.93 107.14,38.93 107.09,38.98 107.09,39.52 107.19,39.62 107.75,39.62 107.85,39.72 107.85,40.15 107.8,40.2 107.14,40.2 107.12,40.23 107.12,40.79 107.17,40.84 107.8,40.84 107.9,40.94 107.9,41.4 107.83,41.47 107.14,41.47 107.12,41.5 107.12,42.51 107.73,43.12 107.73,43.68 107.55,43.86 106.99,43.86
N27079470 on BOTTOM: 103.71,47.47 102.47,47.47 102.21,47.21 102.21,44.44 102.49,44.17 103.76,44.17 103.97,44.37 103.97,47.21
N28388966 on BOTTOM: 110.06,58 110.06,55.97 110.54,55.49 119.73,55.49 120.24,56 120.24,57.88 119.56,58.56 110.62,58.56
N28391410 on TOP: 102.19,83.51 101.81,83.13 101.81,81.27 102.19,80.89 111.43,80.89 111.94,81.4 111.94,83.13 111.56,83.51
N28901986 on TOP: 21.11,100.27 20.76,100.27 20.12,99.64 19.36,99.64 19.08,99.36 19.08,98.01 19.31,97.78 20.93,97.78 21.31,98.17 21.31,100.07
N29273404 on BOTTOM: 5.77,93.64 7.67,93.64 8.31,93.01 9.55,93.01 9.83,93.29 9.83,94 9.66,94.18 5.77,94.18 5.67,94.08 5.67,93.75
N29273747 on BOTTOM: 5.77,69.01 7.67,69.01 8.26,68.42 9.43,68.42 9.63,68.63 9.63,69.39 9.48,69.54 5.77,69.54 5.67,69.44 5.67,69.11
N29726826 on TOP: 94.85,42.9 92.03,42.9 91,41.87 91,35.25 90.12,34.37 90.12,30.2 90.5,29.81 95.84,29.81 96.35,30.32 96.35,34.44 101.48,39.57 101.48,44.01 100.94,44.55 96.5,44.55
N29727171 on TOP: 90.3,27.66 90.07,27.43 90.07,23.49 90.25,23.31 99.88,23.31 100.87,22.32 102.72,22.32 103,22.6 103,26.66 102.01,27.66
N29728351 on TOP: 112.58,33.22 122.46,33.22 123.37,34.13 123.37,39.85 122.94,40.28 112.65,40.28 111.76,39.39 111.76,34.03
N30783976 on TOP: 23.5,50.77 21.34,50.77 20.83,51.28 20.83,59.71 21.97,60.85 24.97,60.85 25.38,60.45 25.38,54.78 24.06,53.46 24.06,51.33
N30783976 on BOTTOM: 21.85,52.6 21.85,51.02 22,50.87 26.7,50.87 27.05,51.23 27.05,52.83 26.78,53.11 22.36,53.11

Small or netless copper shapes (teardrops, artwork), in the pictures only: 3 on BOTTOM

## Text on the board
Ref Des/Assembly Bottom: Assembly_Bottom
Ref Des/Silkscreen Bottom: GND_ISO | 1000M+PSE | J13 | J14 | 1000M | J16 | HDMI | J18 | Debug UART | J19 | USB2.0 NX | ON :0 | OFF:1 | MODE_0 | MODE_1 | MODE_2 | SLEW | SW2 | REC | 1 | 2 | 3 | 4 | J15 | SIM | UART2_RXD_3V3 | UART2_TXD_3V3 | MCU_USB_BOOT | MCU_UART1_RX | MCU_UART1_TX | USB_MUX_SEL | SIM_MUX_SEL | BMCU_ACOK | MCU_RST | PWR_BTN | J8 | GND | 3V3_MCU | AUTO_ON_DIS | EEP_WP | PWM | TACH | VDD5V | DO_4 | CAN_L | DO_3 | CAN_H | DO_2 | DO_1 | GND_DO | DI_4 | GND_DI | DI_3 | DI_2 | DI_1 | M0 | M1 | M2 | USB3.2 Gen 1(5Gbps) | CAM1 | CAM0 | J4 | J3 | M.2 KEY-M | NVME | RS232/RS422/RS485 | J1 | RTC 3V | Closed:Mini PCIe | Open:M.2 KEY-B | SW1 | RST | SIM_MUX_SEL: | R:PWR | G:STA | LED1 | PSE | J10 | DI & DO & CAN | J2 | reComputer Industrial J201 V1.2 | J17 | 5A MAX. | 12V-24V
Ref Des/Assembly Top: Assembly_Top
Ref Des/Silkscreen Top: EEP_WP | J26 | GND | PSE+ | VDD_PSE | PSE- | PSE | Mini-PCIe | LoRa/Series Wireless Module | LED2:M.2 KEY-B_STATUS | LED3:Mini PCIe_STATUS | M.2 KEY-B 3042/3052 | 4G/5G Wireless Module | USB3.2 Gen 1(5Gbps) | FAN | ETH+PSE | DI & DO & CAN | ETH | REC | SIM | 5V | RST | R:PWR | G:STA | 3V | RTC | HDMI | Debug UART | RS232/RS422/RS485 | SPI TPM | USB2.0 NX
PAGE_OUTLINE: LAYER 6 - SECONDARY SIDE - SIGNAL | LAYER 2 - GROUND PLANE | LAYER 1 - PRIMARY SIDE - SIGNAL | LAYER 4 - SIGNAL | LAYER 5 - POWER PLANE | LAYER 3 - SIGNAL | LAYER# | COPPER WEIGHT | HALF+PLATING | (OZ) | IMPEDANCE CONTROL | +/- 10% | 50ohm SINGLE ENDED | TRACE WIDTH | TRACE WIDTH / SPACE | 85ohm DIFFERENTIAL | 90ohm DIFFERENTIAL | 95ohm DIFFERENTIAL | 4/8.8 | 12 ref:L4 | 5 | 1OZ | 1 | 4.1/4 | 3.1/4.2 | 4.2/6.4 | 3.3/6 | 3.5/8.5 | LAYER STACK-UP - ALL DIMENSIONS IN MIL
User.32: FIGURE | FINISHED_SIZE | 51.18x19.69 | 62.99x27.56 | 110.24x27.56 | 137.8x47.24 | TOOL_SIZE | - | SLOT HOLES: TOP to BOTTOM | ALL UNITS ARE IN MILS | ROTATION | 90.000 | 0.000 | TOLERANCE_DRILL | +0.0/-0.0 | PLATED | QTY | 8 | 2 | 14 | TOTAL HOLES:
User.33: FIGURE | FINISHED_SIZE | 7.87 | 8.0 | 21.65 | 23.62 | 27.56 | 35.43 | 39.37 | 40.0 | 40.8 | 41.34 | 43.31 | 47.24 | 55.12 | 57.09 | 66.93 | 90.55 | 129.92 | 146.85 | 165.35 | 166.14 | 60.0 | 62.99 | 86.61 | 127.95 | TOOL_SIZE | 0.25 | - | DRILL CHART: TOP to BOTTOM | ALL UNITS ARE IN MILS | ROTATION | TOLERANCE_DRILL | +2.95/-2.95 | +0.0/-0.0 | +3.0/-3.0 | +1.97/-1.97 | PLATED | NON-PLATED | QTY | 45 | 3337 | 2 | 4 | 9 | 18 | 14 | 20 | 17 | 5 | 1 | 16 | 6 | 3570 | TOTAL HOLES:
